# Altium PCB DP0507-0A0_DWG.PcbDoc
Units mil, origin at the board's own origin, x right, y up, seen from the top; angles counter-clockwise.
Board outline 4192.91 x 1377.95 mil, 2 copper layers (Top Layer, Bottom Layer); 39 components, 25 nets, 253 pads, 0 vias.
Unrouted connection lines stored in the file: 24.
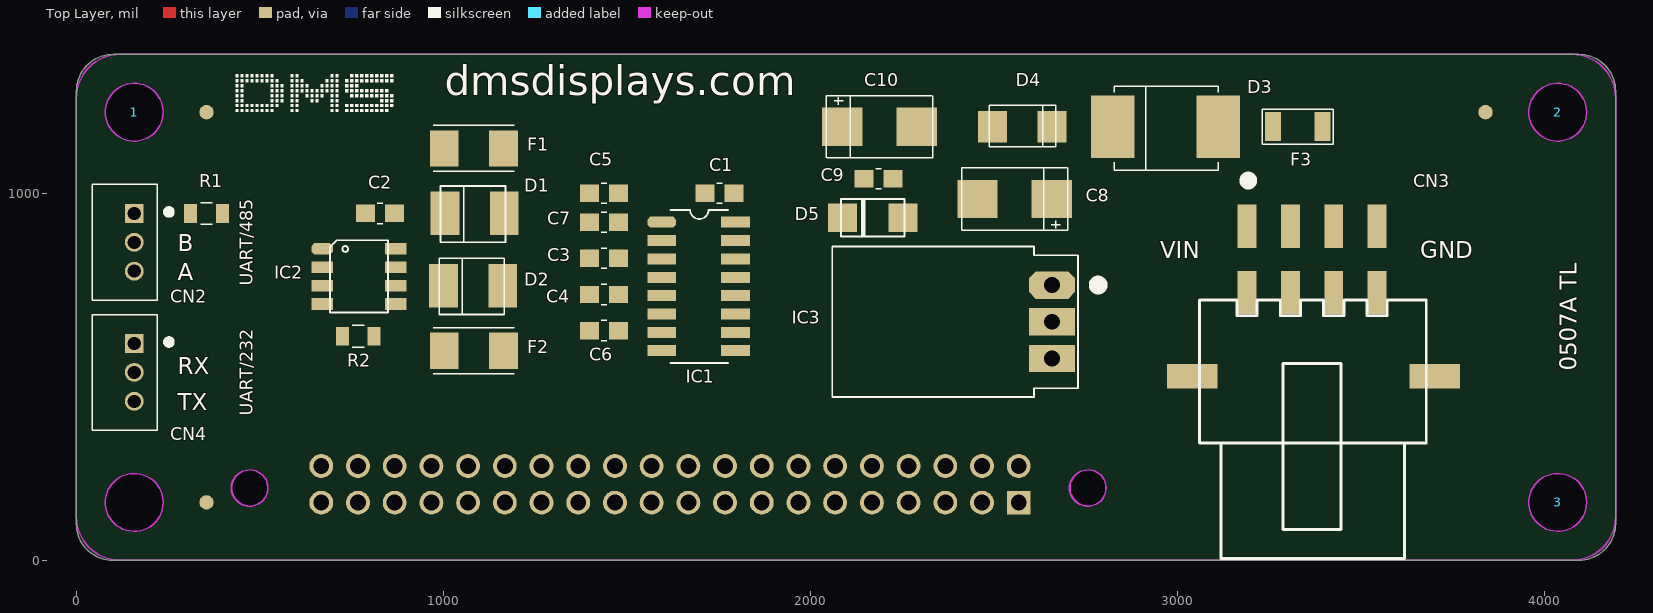
[diagram p0: Top Layer view]
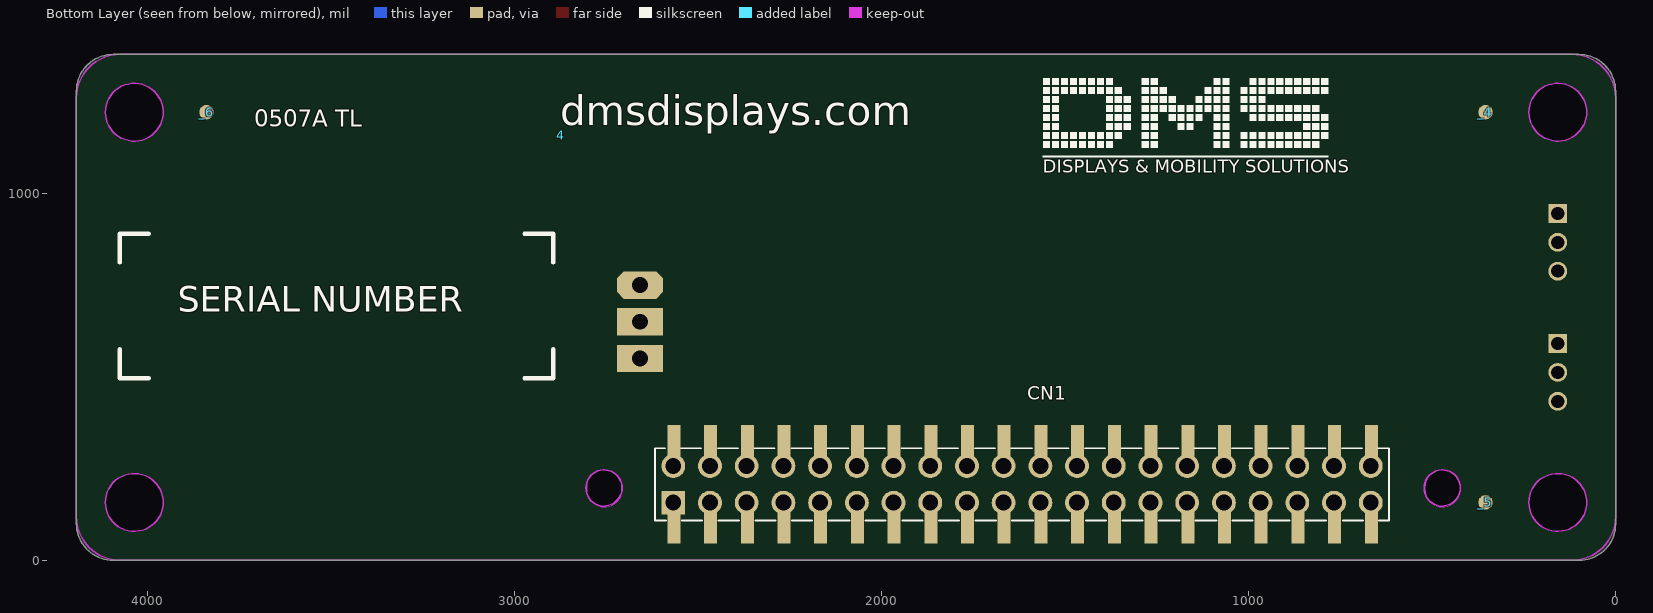
[diagram p1: Bottom Layer view, seen from below]

## Layer stack, top to bottom
Top Layer: signal copper 1.4
Dielectric: dielectric 12.6, FR-4, Dk 4.8
Bottom Layer: signal copper 1.4

## Board outline
0,98.43 ccw(c98.43,98.43) 98.43,0 137.8,0 4092.91,0 ccw(c4092.91,100) 4192.91,100 4192.91,177.17 4192.91,1277.95 ccw(c4092.91,1277.95) 4092.91,1377.95 4055.12,1377.95 100,1377.95 ccw(c100,1277.95) 0,1277.95 0,1259.84
cut-out: 421.26,196.85 cw(c470.47,196.85) 470.47,246.06 472.44,246.06 cw(c472.44,198.82) 519.69,198.82 519.69,192.91 cw(c472.44,192.91) 472.44,145.67 cw(c472.44,196.85) 421.26,196.85
cut-out: 2704.72,196.85 cw(c2753.94,196.85) 2753.94,246.06 2755.91,246.06 cw(c2755.91,198.82) 2803.15,198.82 2803.15,192.91 cw(c2755.91,192.91) 2755.91,145.67 cw(c2755.91,196.85) 2704.72,196.85

## Design rules (kind name [scope] priority, off if disabled: settings)
AcuteAngle [InNetClass('ligacoes leds resistencias')] p1: minimum=4.50000000000000E+0001 checktracksonly=FALSE
Clearance Clearance_GND [(OnLayer('GND') AND InNet('GND')) vs OnLayer('Keep-Out Layer')] p1: gap=25
Clearance "Clearance_VCC_3.3V_VCC layer" [(OnLayer('VCC') AND InNet('VCC_3.3V'))] p2: gap=15
Clearance "Clearance_VIN_VCC layer" [(OnLayer('VCC') AND InNet('VIN'))] p3: gap=15
Clearance Clearance_VLEDS [InNet('VLEDS')] p4: gap=7
Clearance Clearance_VCC [InNet('VCC')] p5: gap=7
Clearance Clearance_VIN [InNet('VIN')] p6: gap=7
Clearance Clearance_GND_layer [(OnLayer('GND') AND InNet('GND'))] p7: gap=15
Clearance Clearance_Poli [(IsPad) vs (IsRegion)] p8: gap=7
Clearance "Clearance ALL" [All] p9: gap=7
ComponentClearance [All] p1 off: gap=0 collisioncheckmode=3 verticalgap=10 showdistances=FALSE
FabricationTestPointUsage TestPointUsage [All] p1: valid=2 allowmultiple=FALSE
FabricationTestpoint Testpoint [(IsPad And (OnTopLayer Or OnBottomLayer))] p1: side=3 testpointundercomponent=TRUE minsize=40 maxsize=100 preferedsize=60 minholesize=20 maxholesize=40 preferedholesize=32 testpointgrid=1 allowsidetop=TRUE allowsidebottom=TRUE usegrid=TRUE gridtolerance=0.01
FanoutControl Fanout_BGA [IsBGA] p1: bgadir=Out bgaviamode=Closest fanoutstyle=Staggered fanoutdirection=Alternating viagrid=1 // Fanout_BGA (Default Rule)
FanoutControl Fanout_LCC [IsLCC] p2: bgadir=Out bgaviamode=Centered fanoutstyle=Staggered fanoutdirection=Alternating viagrid=1 // Fanout_LCC (Default Rule)
FanoutControl Fanout_SOIC [IsSOIC] p3: bgadir=Out bgaviamode=Centered fanoutstyle=Staggered fanoutdirection=Alternating viagrid=1 // Fanout_SOIC (Default Rule)
FanoutControl Fanout_Small [(CompPinCount < 5)] p4: bgadir=Out bgaviamode=Centered fanoutstyle=Staggered fanoutdirection=OutThenIn viagrid=1 // Fanout_Small (Default Rule)
FanoutControl Fanout_Default [All] p5: bgadir=Out bgaviamode=Centered fanoutstyle=Staggered fanoutdirection=Alternating viagrid=1 // Fanout_Default (Default Rule)
HoleSize [All] p1: absolutevalues=TRUE maxlimit=500 minlimit=1 maxpercent=80.000 minpercent=20.000
HoleToHoleClearance [All] p1: gap=7 allowstackedmicrovias=TRUE
MinimumSolderMaskSliver [All] p1: minsoldermaskwidth=2.36
PlaneClearance [All] p1: clearance=10
PolygonConnect "Poligonos componentes" [All vs InComponentClass('Poligonos Componentes')] p1: connectstyle=Relief reliefconductorwidth=25 reliefentries=4 polygonreliefangle="90 Angle" airgapwidth=7
PolygonConnect PolygonConnect_VIAS [IsVia] p2: connectstyle=Direct reliefconductorwidth=10 reliefentries=4 polygonreliefangle="90 Angle" airgapwidth=10
RoutingCorners [InNetClass('ligacoes leds resistencias')] p1: cornerstyle=45-Degree minsetback=25 maxsetback=25
RoutingLayers [InNetClass('Ligação DRIVES_LEDS')] p1: top layer_v5=TRUE bottom layer_v5=FALSE
RoutingPriority RoutingPriority_1 [InNetClass('Ligação DRIVES_LEDS')] p1: routingpriority=100
RoutingTopology RoutingTopology_VERTICAL [OnLayer('MidLayer2')] p1: topology=Vertical
RoutingTopology RoutingTopology_HORIZONTAL [OnLayer('MidLayer1')] p2: topology=Horizontal
RoutingVias [All] p1: holewidth=11.81 width=25.59 viastyle="Through Hole" minholewidth=11.81 minwidth=25.59 maxholewidth=11.81 maxwidth=25.59
ShortCircuit ShortCircuit_1 [InComponent('CN1')] p1: allowed=TRUE
ShortCircuit [All] p2: allowed=FALSE
SilkToSilkClearance [All] p1: silktosilkclearance=-5
SilkToSolderMaskClearance SilkscreenOverComponentPads [IsPad] p1: minsilkscreentomaskgap=-5 clearancetoexposedcopper=TRUE
SolderMaskExpansion [(IsSMTPin)] p1: expansion=0
SolderMaskExpansion SolderMaskExpansion_1 [(IsVia)] p2: expansion=-20
ViasUnderSMD [All] p1: allowed=TRUE
Width Width_GND [InNet('GND')] p1: maxlimit=50 minlimit=10 preferedwidth=20
Width "Width_VIN and VDDAD" [(InNet('VIN') AND InNet('VDDAD'))] p2: maxlimit=500 minlimit=10 preferedwidth=25
Width Width_ALL [All] p3: maxlimit=500 minlimit=10 preferedwidth=10
9 further rules are at their usual default settings.

## Classes and differential pairs
component class DP0507-1A0: C1 C2 C3 C4 C5 C6 C7 C8 C10 CN1 CN2 CN3 CN4 D1 D2 D3 D4 F1 F2 F3 IC1 IC2 IC3 R1 R2
component class "Poligonos Componentes": C1 C2 C3 C4 C5 C6 C7 C8 C10 CN1 CN2 CN3 CN4 D1 D2 D3 D4 F1 F2 F3 IC1 IC2 IC3 R1 R2

## Components (designator, comment, footprint, x,y, rotation, side; value= is the part's Value field where it differs from the comment)
1 "" "ESPAÇADOR PCB_PRETO_BL_8MM" 157.48,1220.48 r0 top
2 "" "ESPAÇADOR PCB_PRETO_BL_8MM" 4035.44,1220.48 r0 top
3 "" "ESPAÇADOR PCB_PRETO_BL_8MM" 4035.44,157.48 r0 top
4 "" "site dmsdisplays.com_3x20mm" 2874.02,1157.48 r180 bottom
_4 "" "FIDUCTIAL MARK_1MM DIÂMETRO" 354.33,1220.47 r180 bottom
_5 "" "FIDUCTIAL MARK_1MM DIÂMETRO" 354.33,157.48 r180 bottom
_6 "" "FIDUCTIAL MARK_1MM DIÂMETRO" 3838.58,1220.47 r180 bottom
C1 "B217602" C0805 1751.97,999.61 r180 top
C2 "B217602" C0805 826.77,944.88 r180 top
C3 "B217613" C0805 1437.01,822.44 r0 top
C4 "B217631" C0805 1437.01,724.02 r0 top
C5 "B217631" C0805 1437.01,999.61 r180 top
C6 "B217631" C0805 1437.01,625.59 r180 top
C7 "B217613" C0805 1437.01,920.87 r180 top
C8 "B217600" "COND ELECT SMD CASE C (TANTALO SMD 100UF/10V)" 2657.48,984.25 r270 top
C9 "B217602" C0805 2185.04,1039.37 r0 top
C10 "B217600" "COND ELECT SMD CASE C (TANTALO SMD 100UF/10V)" 2086.61,1181.1 r90 top
CN1 "E215527" "SMT DUAL SOCKET HEADER BOTTOM (WR-PHD)_2X20PINS" 2565.39,80.79 r270 bottom
CN2 "E215366" "CONECTOR 3P_DP 2mm_(SMW200-03)" 157.48,944.88 r90 top
CN3 "---TBD---" "CONECTOR SMT MACHO_WR-MPC3_WURTH_8 pinos" 3188.98,910.24 r0 top
CN4 "E215366" "CONECTOR 3P_DP 2mm_(SMW200-03)" 157.48,590.55 r90 top
D1 "SMBJ7.5CA" "SMB (SMBJ7.5CA)" 1003.94,944.88 r0 top
D2 "SMBJ7.5CA" "SMB (SMBJ7.5CA)" 1000,748.03 r0 top
D3 "A120500" "DO214AB (SMC) - STPS340S" 2822.83,1181.1 r0 top
D4 "A102150" "DO214AC (SMA)" 2657.48,1181.1 r180 top
D5 "A129614" SOD-106 2086.61,933.07 r90 top
F1 "D616404" 1812 1082.68,1122.05 r0 top
F2 "D616404" 1812 1082.68,570.87 r0 top
F3 "D616400" R1206 3326.77,1181.1 r0 top
IC1 "MAX3232 (SOIC-16)" "SOIC-16 (MAX3232)" 1594.49,920.87 r0 top
IC2 "SN65HVD3082" PSOP-8 669.29,848.03 r270 top
IC3 "C110035" "OKI-78SR (TO-220)_HORIZONTAL" 2657.48,649.61 r90 top
R1 "B306009" R0805 354.33,944.88 r180 top
R2 "B306004" R0805 767.72,610.24 r180 top
"SERIAL NUMBER" "" "SERIGRAFIA_NUMERO SERIE_30X10MM" 4074.8,496.06 r180 bottom
? "" "novo logotipo DMS sem assinatura_10x2.5mm" 433.07,1220.47 r0 top
? "" "site dmsdisplays.com_3x20mm" 1003.94,1240.16 r0 top
? "" "ESPAÇADOR PCB_PRETO_BL_8MM" 157.48,157.48 r0 top
? "" "novo logotipo DMS com assinatura_20x7mm" 1559.06,1043.31 r180 bottom

## Footprints (in the part's own frame and the unit in brackets; to place one, negate y for a bottom-side part, rotate by r counter-clockwise, add the part's x,y. Pads: shape width x height; smd on the part's side, far side on the other; paste and mask are expansions set on the pad)
1812 [mm]
  rect 2x2.5 smd mask+0: 1(-2.05,0) 2(2.05,0)
  silkscreen extent -2.8,-1.6 2.8,1.6, body extent -2.85,-1.7 2.85,1.7, height 1.1
C0805 [mm]
  rect 1.3x1.2 smd mask+0: 1(-1,0) 2(1,0)
  silkscreen extent -0.2,-0.7 0.2,0.7, body extent -1.5,-0.7 1.5,0.7, height 0.93
"COND ELECT SMD CASE C (TANTALO SMD 100UF/10V)" [mm]
  rect 2.65x2.8 smd mask+0: 1(0,0) 2(0,-5.15)
  silkscreen extent -2.15,-6.25 2.15,1.1, body extent -1.75,-6.35 1.76,1.25, height 2.79
"CONECTOR 3P_DP 2mm_(SMW200-03)" [mm]
  rect 1.3x1.3 hole 0.9: 1(0,0)
  round 1.3 hole 0.9: 2(-2,0) 3(-4,0)
  silkscreen extent -6,-2.6 2,2.9, body extent -6,-1.6 2,2.9, height 6.5
"CONECTOR SMT MACHO_WR-MPC3_WURTH_8 pinos" [mm]
  rect 1.3x3 smd mask+0: 1(0,0) 2(3,0) 3(6,0) 4(9,0) 5(0,-4.62) 6(3,-4.62) 7(6,-4.62) 8(9,-4.62)
  rect 3.5x1.7 smd mask+0: A(-3.8,-10.4) A(13,-10.4)
  silkscreen extent -3.3,-23 12.4,3.47, body extent -5.05,-23 14.05,1.25, height 10.3
"DO214AB (SMC) - STPS340S" [mm]
  rect 3x4.3 smd: 1(0,0) 2(7.3,0)
  silkscreen extent 0.1,-3 7.3,2.8, body extent -0.2,-3.05 7.6,2.85, height 2.4
"DO214AC (SMA)" [mm]
  rect 2x2.2 smd: 1(0,0) 2(4.1,0)
  silkscreen extent -0.25,-1.5 4.35,1.4, body extent -0.55,-1.35 4.65,1.25, height 2.4
"ESPAÇADOR PCB_PRETO_BL_8MM" [mm]
  round 4 hole 4 unplated paste-15 mask-15: 1(0,0)
  Keep-Out Layer circle w0.1: c0,0 r2
  Multi-Layer pour cut-out: -0.05,2 0.5,1.95 1.05,1.7 1.5,1.3 1.8,0.9 1.95,0.35 2,0 1.95,-0.5 1.75,-0.95 1.45,-1.4 0.95,-1.75 0.45,-1.95 0,-2 -0.65,-1.9 -1.2,-1.6 -1.7,-1.1 -1.95,-0.45 -2,0.15 -1.85,0.75 -1.6,1.2 -1.3,1.55 -0.9,1.8 -0.5,1.95
  body extent -2.3,-2.3 2.3,2.3, height 3.69
"FIDUCTIAL MARK_1MM DIÂMETRO" [mm]
  round 1 smd far side: 0(0,0)
  round 1 smd: 0(0,0)
"novo logotipo DMS com assinatura_20x7mm" [mil]
  silkscreen extent -2,55 776,270
"novo logotipo DMS sem assinatura_10x2.5mm" [mil]
  silkscreen extent 0,0 430,104
"OKI-78SR (TO-220)_HORIZONTAL" [mm]
  oct 1.9x3.2 hole 1.1: 1(2.54,0)
  rect 1.9x3.2 hole 1.1: 2(0,0) 3(-2.54,0)
  silkscreen extent -5.2,-3.5 5.2,15.2, body extent -5.2,-1.3 5.2,15.2, height 7.98
PSOP-8 [mm]
  oct 0.8x1.5 smd mask+0: 1(0,0)
  rect 0.8x1.5 smd mask+0: 2(1.27,0) 3(2.54,0) 4(3.81,0) 5(3.81,5.1) 6(2.54,5.1) 7(1.27,5.1) 8(0,5.1)
  silkscreen extent -0.6,0.55 4.4,4.55, body extent -0.6,-0.5 4.4,5.6, height 1.6
R0805 [mm]
  rect 0.9x1.3 smd mask+0: 1(-1.1,0) 2(1.1,0)
  silkscreen extent -0.4,-0.75 0.4,0.75, body extent -1.2,-0.62 1.2,0.63, height 0.55
R1206 [mm]
  rect 1.1x2 smd mask+0: 1(-1.714,0) 2(1.714,0)
  silkscreen extent -2.45,-1.2 2.45,1.2, body extent -1.8,-0.8 1.8,0.8, height 0.55
"SERIGRAFIA_NUMERO SERIE_30X10MM" [mil]
  silkscreen extent 0,0 1181,394
"site dmsdisplays.com_3x20mm" [mil]
"SMB (SMBJ7.5CA)" [mm]
  rect 2x3 smd mask+0: 1(0,0) 2(4.1,0)
  silkscreen extent -0.3,-2 4.2,1.9, body extent -0.75,-2 4.75,1.9, height 2.45
"SMT DUAL SOCKET HEADER BOTTOM (WR-PHD)_2X20PINS" [mm] "SMT DUAL SOCKET HEADER BOTTOM ENTRY"
  rect 1.651x1.651 hole 1.1 mask+0: 1(-1.93,-0.04)
  rect 2.5x0.9 smd mask-15: 1(-0.35,0) 2(-6.05,0) 3(-0.35,2.54) 4(-6.05,2.54) 5(-0.35,5.08) 6(-6.05,5.08) 7(-0.35,7.62) 8(-6.05,7.62) 9(-0.35,10.16) 10(-6.05,10.16) 11(-0.35,12.7) 12(-6.05,12.7) 13(-0.35,15.24) 14(-6.05,15.24) 15(-0.35,17.78) 16(-6.05,17.78) 17(-0.35,20.32) 18(-6.05,20.32) 19(-0.35,22.86) 20(-6.05,22.86) 21(-0.35,25.4) 22(-6.05,25.4) 23(-0.35,27.94) 24(-6.05,27.94) 25(-0.35,30.48) 26(-6.05,30.48) 27(-0.35,33.02) 28(-6.05,33.02) 29(-0.35,35.56) 30(-6.05,35.56) 31(-0.35,38.1) 32(-6.05,38.1) 33(-0.35,40.64) 34(-6.05,40.64) 35(-0.35,43.18) 36(-6.05,43.18) 37(-0.35,45.72) 38(-6.05,45.72) 39(-0.35,48.26) 40(-6.05,48.26)
  rect 1.8x0.9 on Bottom Solder mask+0: 1(0,0) 2(-6.4,0) 3(0,2.54) 4(-6.4,2.54) 5(0,5.08) 6(-6.4,5.08) 7(0,7.62) 8(-6.4,7.62) 9(0,10.16) 9(0,12.7) 9(0,15.24) 9(0,17.78) 9(0,20.32) 9(0,22.86) 9(0,25.4) 9(0,27.94) 9(0,30.48) 9(0,33.02) 9(0,35.56) 9(0,38.1) 9(0,40.64) 9(0,43.18) 9(0,45.72) 9(0,48.26) 10(-6.4,10.16) 10(-6.4,12.7) 10(-6.4,15.24) 10(-6.4,17.78) 10(-6.4,20.32) 10(-6.4,22.86) 10(-6.4,25.4) 10(-6.4,27.94) 10(-6.4,30.48) 10(-6.4,33.02) 10(-6.4,35.56) 10(-6.4,38.1) 10(-6.4,40.64) 10(-6.4,43.18) 10(-6.4,45.72) 10(-6.4,48.26)
  rect 1.8x0.9 on Bottom Paste mask+0: 1(0,0) 1(0,15.24) 1(0,17.78) 1(0,20.32) 1(0,22.86) 1(0,25.4) 1(0,27.94) 1(0,30.48) 1(0,33.02) 1(0,35.56) 1(0,38.1) 1(0,40.64) 1(0,43.18) 1(0,45.72) 1(0,48.26) 2(-6.4,0) 2(-6.4,15.24) 2(-6.4,17.78) 2(-6.4,20.32) 2(-6.4,22.86) 2(-6.4,25.4) 2(-6.4,27.94) 2(-6.4,30.48) 2(-6.4,33.02) 2(-6.4,35.56) 2(-6.4,38.1) 2(-6.4,40.64) 2(-6.4,43.18) 2(-6.4,45.72) 2(-6.4,48.26) 3(0,2.54) 4(-6.4,2.54) 5(0,5.08) 6(-6.4,5.08) 7(0,7.62) 8(-6.4,7.62) 9(0,10.16) 10(-6.4,10.16)
  round 1.651 hole 1.1 mask+0: 2(-4.47,-0.04) 3(-1.93,2.5) 4(-4.47,2.5) 5(-1.93,5.04) 6(-4.47,5.04) 7(-1.93,7.58) 8(-4.47,7.58) 9(-1.93,10.12) 10(-4.47,10.12) 11(-1.93,12.66) 12(-4.47,12.66) 13(-1.93,15.2) 14(-4.47,15.2) 15(-1.93,17.74) 16(-4.47,17.74) 17(-1.93,20.28) 18(-4.47,20.28) 19(-1.93,22.82) 20(-4.47,22.82) 21(-1.93,25.36) 22(-4.47,25.36) 23(-1.93,27.9) 24(-4.47,27.9) 25(-1.93,30.44) 26(-4.47,30.44) 27(-1.93,32.98) 28(-4.47,32.98) 29(-1.93,35.52) 30(-4.47,35.52) 31(-1.93,38.06) 32(-4.47,38.06) 33(-1.93,40.6) 34(-4.47,40.6) 35(-1.93,43.14) 36(-4.47,43.14) 37(-1.93,45.68) 38(-4.47,45.68) 39(-1.93,48.22) 40(-4.47,48.22)
  silkscreen extent -5.7,-1.31 -0.7,49.49, body extent -6.8,-1.3 0.4,49.5, height 3.8
SOD-106 [mm]
  rect 2x2 smd mask+0: 1(0,0) 2(0,-4.2)
  silkscreen extent -1.3,-4.3 1.3,0.1, body extent -1.31,-4.6 1.29,0.4, height 2
"SOIC-16 (MAX3232)" [mm]
  oct 2x0.762 smd mask+0: 1(0,0)
  rect 2x0.762 smd mask+0: 2(0,-1.27) 3(0,-2.54) 4(0,-3.81) 5(0,-5.08) 6(0,-6.35) 7(0,-7.62) 8(0,-8.89) 9(5.1,-8.89) 10(5.1,-7.62) 11(5.1,-6.35) 12(5.1,-5.08) 13(5.1,-3.81) 14(5.1,-2.54) 15(5.1,-1.27) 16(5.1,0)
  silkscreen extent 0.6,-9.74 4.6,0.85, body extent -0.3,-9.35 5.5,0.45, height 1.75

## Part data
C1 C2: library part CAP, "COND. CERAMICO SMD 10% 100NF (0805) 50V"
C3 C7: library part CAP, "COND. CERAMICO SMD 10% 100NF (0805) 100V"
C4 C5 C6: library part CAP, "COND. CERAMICO SMD 330NF (0805) 50V"
C8 C10: library part "COND. ELECTR. VERT. 220UF/63V", "COND. TANTALO SMD 100UF/10V, LOW ESR 10% (2312)"
C9: library part "COND. CERAMICO SMD 10% 100NF (0805) 50V", "COND. CERAMICO SMD 10% 100NF (0805) 50V"
CN1: library part RASPBERRY_PI_CONNECTOR, "CONECTOR 2X20 PINOS SMD DP2,54MM"
CN2 CN4: library part CON3, "CONECTOR 3P SMW200-03P (FOR PCB)"
CN3: library part CON8, "CONECTOR SMT MACHO_WR-MPC3_WURTH_8 pinos"
D1 D2: library part "DIODO SMD SMBJ7.5CA", "DIODO SMD SMBJ7.5CA"
D3: library part "DIODE SCHOTTKY", "DIODO SCHOTTKY SMD STPS340S"
D4: library part "DIODE ZENER", "DIODO TRANS-ZORB SMAJ30A"
D5: library part "DIODO ZENER 5V6/1W", "DIODO ZENER SMD 5V6/1W (SOD-106)"
F1 F2: library part "Fuse Thermal", "FUSIVEL FUS.LENTA SMD REARMÁVEL PTC 0.14A (1812)"
F3: library part "FUSIVEL FUS.LENTA SMD 2A", "FUSIVEL FUS.LENTA SMD 2A"
IC1: "C.I. SMD MAX3232"
IC2: "INTEGRADO 8 PINOS SMD - SN65HVD3082ED"
IC3: library part "OKI-78SR (TO-220)", "CONVERSOR DC/DC OKI-78SR"
R1: library part "RESISTENCIA SMD", "RESISTÊNCIA SMD"
R2: library part "RESISTENCIA SMD 5% 1K8 (0805)", "RESISTENCIA SMD 5% 1K8 (0805)"

## Free pads (board coordinates)
  round 98.43 hole 98.43 unplated mask-590.55: 0(472.44,196.85) 0(2755.91,196.85)

## Nets (pads, with @x,y where several pads share a name; then routed paths per layer and width w, separated by ;. In a path a pad name is that pad's centre, name@x,y a point inside that pad or via, vN(x,y) a via of type N, cw(c..) or ccw(c..) an arc to the next point about the centre after c; other vN are vias at no path point)
A: CN2.3 F2.2
B: CN2.2 F1.2
DIR-TTL485: CN1.7@2265.39,94.57 CN1.7@2266.97,156.77 IC2.2 IC2.3 R2.2
EARTH: 
GND: C1.2 C2.2 C5.2 C6.2 C8.2 C10.2 CN1.6@2365.39,318.98 CN1.6@2366.97,256.77 CN3.3 CN3.4 CN3.7 CN3.8 CN4.1 D1.2 D2.2 D4.2 IC1.15 IC2.5 IC3.2 R1.1 R2.1
NetC3_1: C3.1 C7.2
NetC3_2: C3.2 IC1.3
NetC4_1: C4.1 IC1.4
NetC4_2: C4.2 IC1.5
NetC5_1: C5.1 IC1.2
NetC6_1: C6.1 IC1.6
NetC7_1: C7.1 IC1.1
NetC8_1: C8.1 D3.1 D4.1 IC3.1
NetCN2_1: CN2.1 R1.2
NetD1_1: D1.1 F1.1 IC2.7
NetD2_1: D2.1 F2.1 IC2.6
NetD3_2: D3.2 F3.1
RX-RS232: CN4.2 IC1.13
RX-TTL: CN1.10@2165.39,318.98 CN1.10@2166.97,256.77 IC1.12
RX-TTL485: CN1.18 IC2.1
TX-RS232: CN4.3 IC1.14
TX-TTL: CN1.8@2265.39,318.98 CN1.8@2266.97,256.77 IC1.11
TX-TTL485: CN1.16 IC2.4
VCC_5V: C1.1 C2.1 C10.1 CN1.2@2565.39,318.98 CN1.2@2566.97,256.77 IC1.16 IC2.8 IC3.3
VIN: CN3.1 CN3.2 CN3.5 CN3.6 F3.2
pads on no net: 1.1 2.1 3.1 ?.1 _4.0 _5.0 _6.0 C9.1 C9.2 CN1.1 CN1.2@665.39,332.76 CN1.2@765.39,332.76 CN1.2@865.39,332.76 CN1.2@965.39,332.76 CN1.2@1065.39,332.76 CN1.2@1165.39,332.76 CN1.2@1265.39,332.76 CN1.2@1365.39,332.76 CN1.2@1465.39,332.76 CN1.2@1565.39,332.76 CN1.2@1665.39,332.76 CN1.2@1765.39,332.76 CN1.2@1865.39,332.76 CN1.2@1965.39,332.76 CN1.2@2565.39,332.76 CN1.3 CN1.4 CN1.5 CN1.6@2365.39,332.76 CN1.7@2265.39,80.79 CN1.8@2265.39,332.76 CN1.9 CN1.10@665.39,332.76 CN1.10@765.39,332.76 CN1.10@865.39,332.76 CN1.10@965.39,332.76 CN1.10@1065.39,332.76 CN1.10@1165.39,332.76 CN1.10@1265.39,332.76 CN1.10@1365.39,332.76 CN1.10@1465.39,332.76 CN1.10@1565.39,332.76 CN1.10@1665.39,332.76 CN1.10@1765.39,332.76 CN1.10@1865.39,332.76 CN1.10@1965.39,332.76 CN1.10@2065.39,332.76 CN1.10@2165.39,332.76 CN1.11 CN1.12 CN1.13 CN1.14 CN1.15 CN1.17 CN1.19 CN1.20 CN1.21 CN1.22 CN1.23 CN1.24 CN1.25 CN1.26 CN1.27 CN1.28 CN1.29 CN1.30 CN1.31 CN1.32 CN1.33 CN1.34 CN1.35 CN1.36 CN1.37 CN1.38 CN1.39 CN1.40 CN3.A D5.1 D5.2 IC1.7 IC1.8 IC1.9 IC1.10

## Keep-outs
Keep-Out Layer:
  circle w3.94: c472.44,196.85 r49.21
  circle w3.94: c2755.91,196.85 r49.21
  lines w3.94: 4074.8,0 118.11,0 cw(c118.11,118.11) 0,118.11 -0.04,1259.84 cw(c118.07,1259.84) 118.07,1377.95 4074.8,1377.95 cw(c4074.8,1259.84) 4192.91,1259.84 4192.93,118.11 cw(c4074.84,118.11) 4074.84,0

## Silkscreen, mask and mechanical layers (free items; w line width, h text height)
Top Overlay:
  text "B" at 275.59,826.77 h78.74
  text "VIN" at 2952.76,807.09 h78.74
  text "GND" at 3661.42,807.09 h78.74
  text "A" at 275.59,748.03 h78.74
  text "UART/485" at 492.13,748.03 h59.06 r90
  text "0507A TL" at 4102.36,515.75 h78.74 r90
  text "RX" at 275.59,492.13 h78.74
  text "TX" at 275.59,393.7 h78.74
  text "UART/232" at 492.13,393.7 h59.06 r90
Bottom Overlay:
  text "0507A TL" at 3708.66,1165.35 h78.74

## Text inside footprints (layer, text, board x,y; h text height)
4: Bottom Overlay "dmsdisplays.com" at 2875.02,1157.48 h137.8
?: Top Overlay "dmsdisplays.com" at 1002.94,1240.16 h137.8
?: Bottom Overlay "DISPLAYS & MOBILITY SOLUTIONS" at 1560.63,1042.91 h61.02